# Altium PCB PASTE.PcbDoc (part 2 of 7)
Units mil, origin at the board's own origin, x right, y up, seen from the top; angles counter-clockwise.
Board outline 16220 x 11870 mil, 2 copper layers (Top Layer, Bottom Layer); 340 components, 0 nets, 1500 pads, 1280 vias.
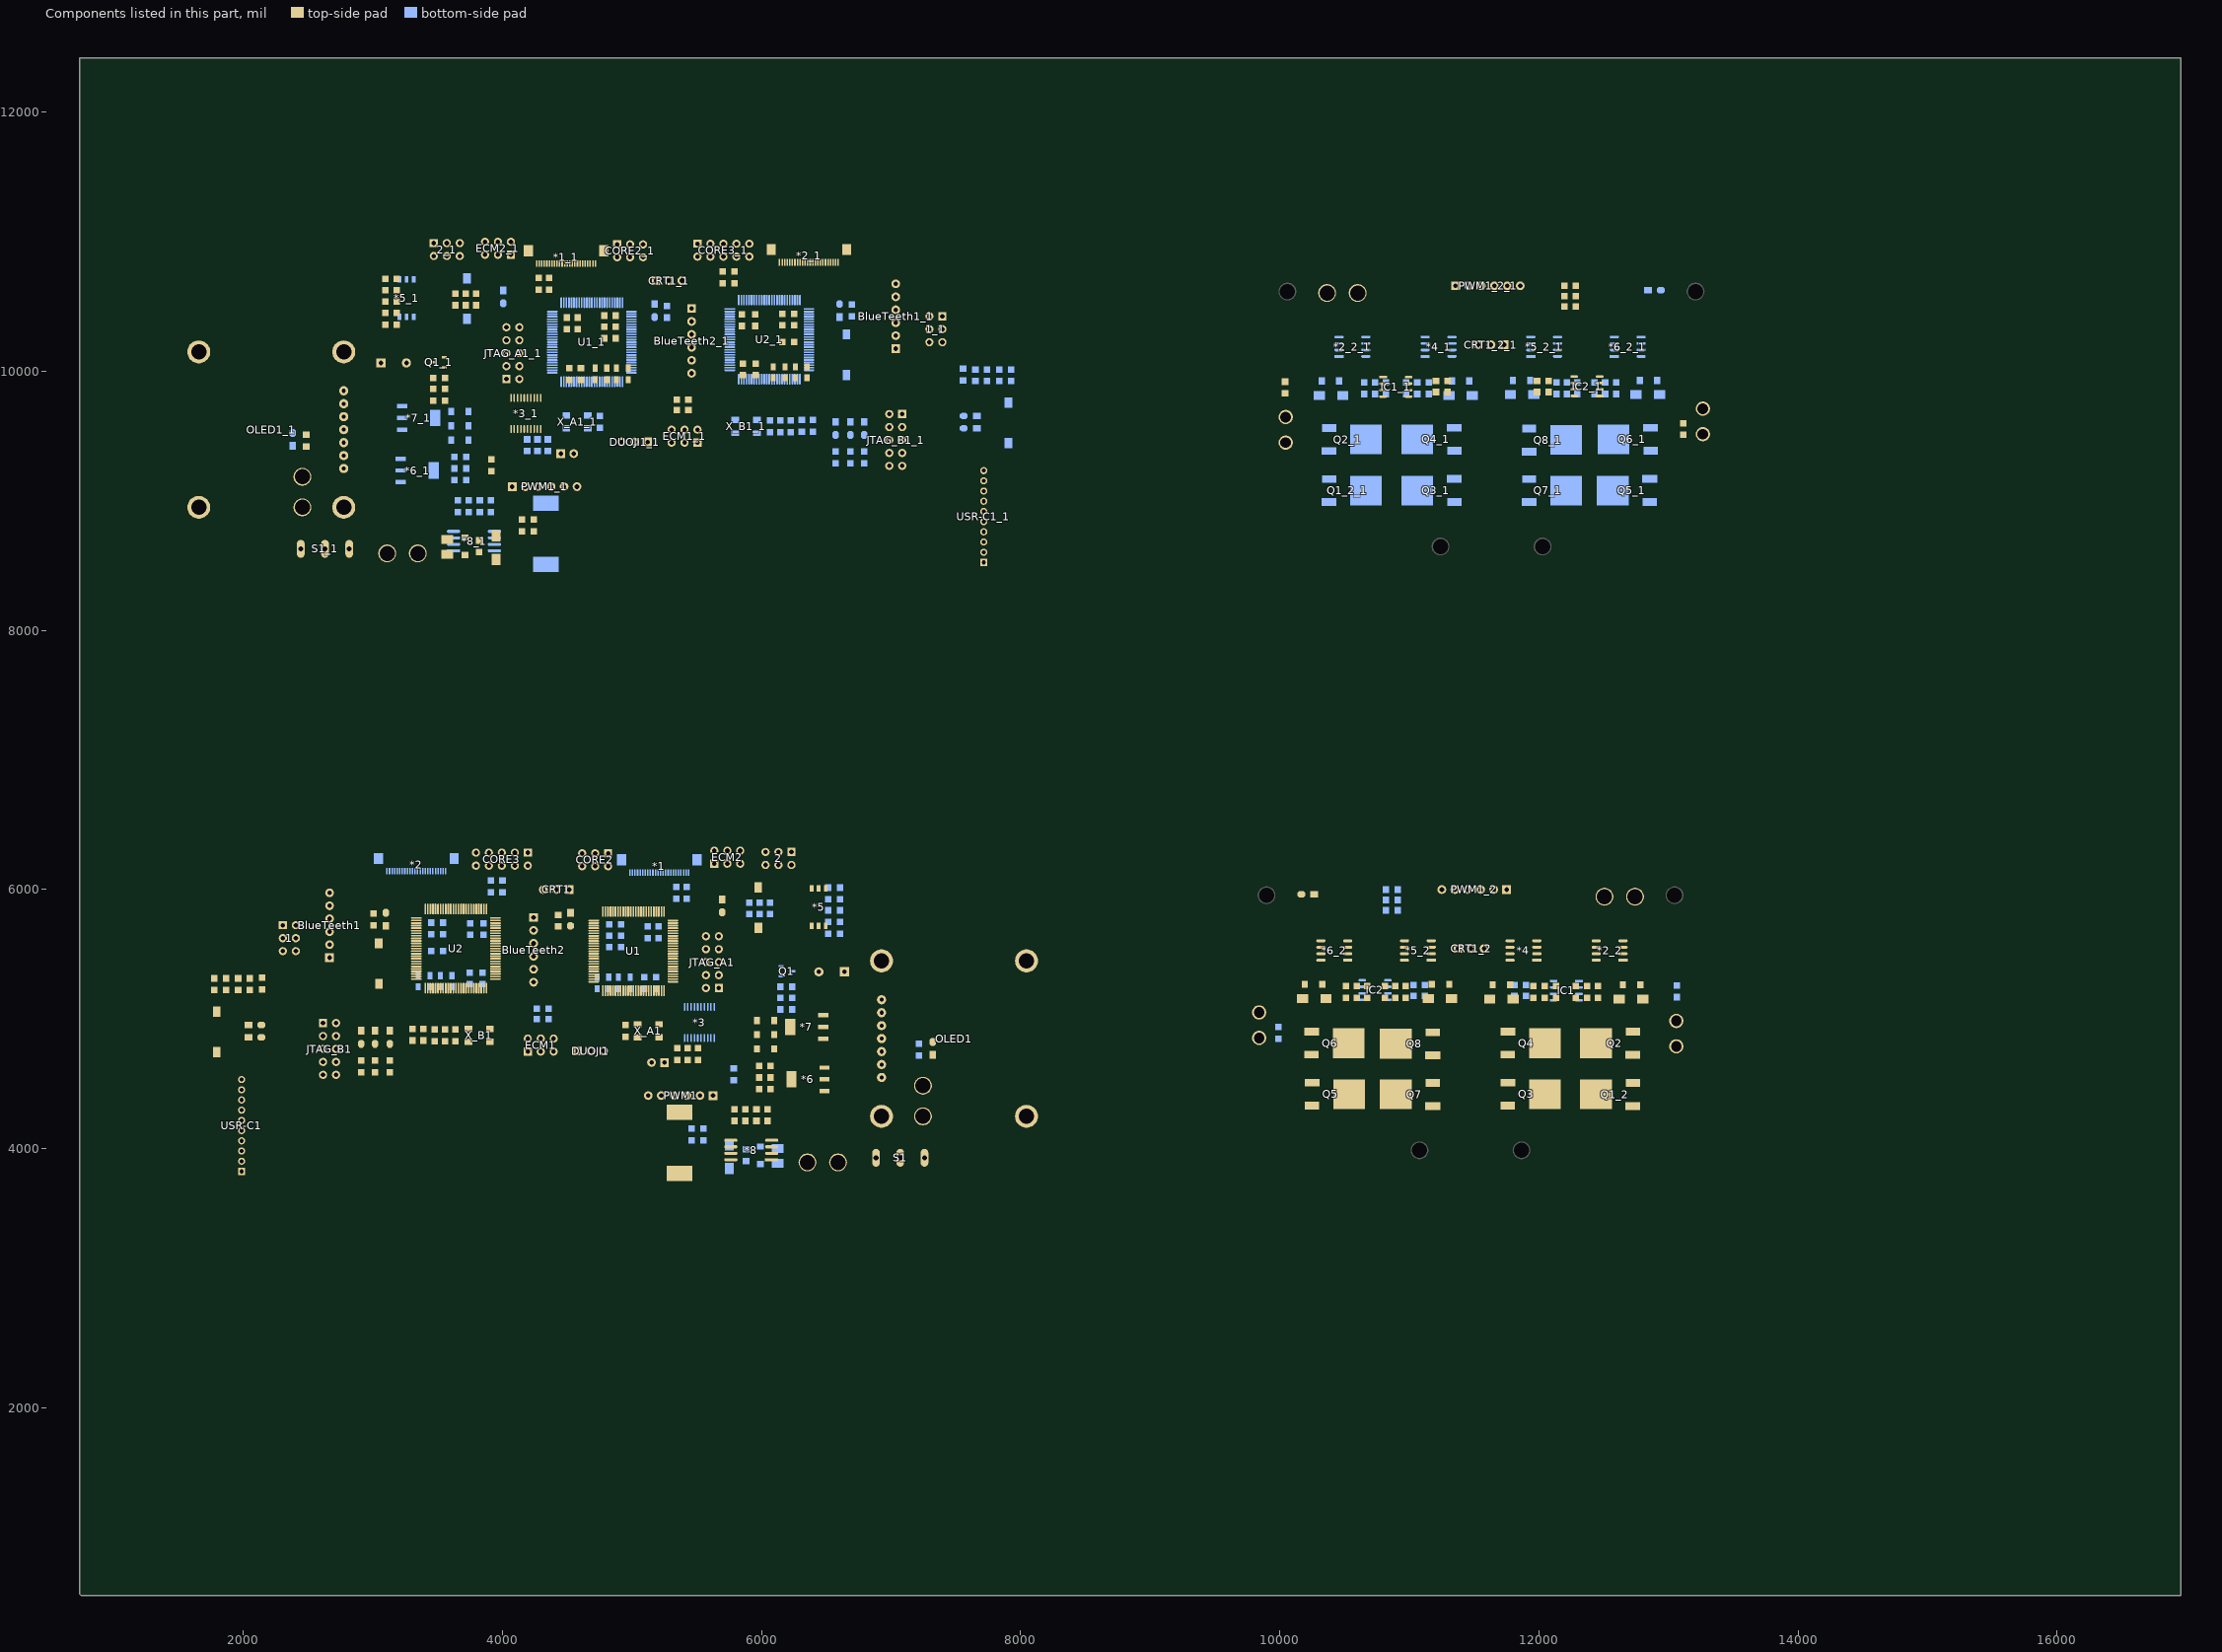
[diagram p2: the components of this part, seen from the top]

## Via types
v1: diameter 20, hole 15, Top Layer to Bottom Layer, tented both sides, 836 vias
v2: diameter 20, hole 10, Top Layer to Bottom Layer, tented both sides, 412 vias
v3: diameter 30, hole 20, Top Layer to Bottom Layer, tented both sides, 22 vias
v4: diameter 177.17, hole 157.48, Top Layer to Bottom Layer, tented both sides, 6 vias
v5: diameter 40, hole 30, Top Layer to Bottom Layer, tented both sides, 4 vias

## Nets (pads, with @x,y where several pads share a name; then routed paths per layer and width w, separated by ;. In a path a pad name is that pad's centre, name@x,y a point inside that pad or via, vN(x,y) a via of type N, cw(c..) or ccw(c..) an arc to the next point about the centre after c; other vN are vias at no path point) (continued)
copper on no net: (continued)
  Top Layer w10: 1732.32,5277.32 cw(c1775,5234.64) 1775,5295 ; 1735.54,5115.99 ccw(c1794.21,5174.66) 1794.21,5091.68 ; 1744.39,5289.39 ccw(c1718.79,5315) 1755,5315 ; 1749.39,5294.39 cw(c1775,5268.79) 1775,5305 ; 1752.61,5098.92 ccw(c1794.21,5140.52) 1794.21,5081.68 ; 1759.3,5092.22 cw(c1734.23,5067.16) 1769.69,5067.16 ; 1775,5205 cw(c1775,5156.72) 1809.14,5190.86 cw(c1843.28,5225) 1795,5225 ; 1775,5225 2040,4960 2040,4955 2040,4860 2115,4785 v2(2120,4785) ; 1775,5315 1770,5315 1710,5255 1710,5141.53 1794.21,5057.31 ; 1980.7,3830.3 cw(c2016.18,3794.82) 2016.18,3845 ; 1986,3825 2006,3845 2095,3845 2383.94,4133.94 2383.94,4538.94 2615,4770 2615,4870 2655.43,4829.57 ; 1986,4061.22 2186.22,4061.22 2370,4245 2370,5040 2980,5650 3145,5650 3236.85,5741.85 3335.01,5741.85 ; 1986,4139.96 1989.96,4139.96 2030,4180 ; 1986.25,4152.46 ccw(c1986.98,4189.8) 2013.39,4163.39 ; 1986.44,4162.46 ccw(c1987.62,4222.37) 2030,4180 ; 1987.77,3823.23 cw(c2040.32,3770.68) 2040.32,3845 ; 1993.79,5006.21 cw(c1942.57,4955) 2015,4955 ; 1994.84,3816.16 cw(c2064.46,3746.54) 2064.46,3845 ; 1994.84,4052.38 cw(c2016.18,4031.04) 2016.18,4061.22 cw(c2016.18,4091.4) 1994.84,4070.06 ; 2001.91,3809.09 cw(c2088.6,3722.4) 2088.6,3845 ; 2001.91,4045.31 cw(c2040.32,4006.9) 2040.32,4061.22 cw(c2040.32,4115.54) 2001.91,4077.13 ; 2008.5,4139.96 cw(c2053.26,4139.96) 2021.61,4171.61 ; 2010.86,4989.14 cw(c1976.72,4955) 2025,4955 ; 2017.93,4982.07 ccw(c2035,4999.14) 2035,4975 ; 2025.86,4874.14 ccw(c1991.72,4908.28) 2040,4908.28 ccw(c2088.28,4908.28) 2054.14,4874.14 ; 2025.86,4940.86 cw(c1991.72,4906.72) 2040,4906.72 cw(c2088.28,4906.72) 2054.14,4940.86 ; 2045,4840 cw(c2045,4803.79) 2070.61,4829.39 ; 2055,4860 ccw(c2091.21,4860) 2065.61,4834.39 ; v2@2061.46,4233.54 ccw(c2052.93,4242.07) 2065,4242.07 ccw(c2077.07,4242.07) v2@2068.54,4233.54 ; v2(2065,4230) 2065,4260 2355,4550 2355,5050 2970,5665 3132.35,5665 3228.88,5761.54 3335.01,5761.54 ; 2065,4860 ccw(c2125.36,4860) 2082.68,4817.32 ; 2102.93,4797.07 ccw(c2120,4814.14) v2@2120,4790 ; 2409.82,9231.4 ccw(c2228.31,9412.91) 2485,9412.91 ; 2416.89,9224.33 ccw(c2252.45,9388.77) 2485,9388.77 ; 2423.96,9217.26 ccw(c2276.6,9364.63) 2485,9364.63 ; 2431.03,9210.19 ccw(c2300.74,9340.48) 2485,9340.48 ; 2438.1,9203.12 ccw(c2324.88,9316.34) 2485,9316.34 ; 2445.17,9196.05 ccw(c2349.02,9292.2) 2485,9292.2 ; 2452.24,9188.98 ccw(c2373.16,9268.06) 2485,9268.06 ccw(c2536.84,9268.06) 2500.18,9231.4 ; 2455,9186.22 2485,9216.22 2485,9420 ; v2@2465,9565 cw(c2465,9552.93) 2473.54,9561.46 cw(c2482.07,9570) v2@2470,9570 ; v2(2465,9570) 2485,9550 ; 2469.6,9407.24 cw(c2430.68,9374.99) 2481,9370.27 ; 2470.86,9405.86 cw(c2436.72,9371.72) 2485,9371.72 cw(c2533.28,9371.72) 2499.14,9405.86 ; 2473,9526 ccw(c2455,9550) 2485,9550 ; 2477.3,9413.62 cw(c2456.97,9396.78) 2483.26,9394.31 ; 2481.3,9373.46 cw(c2527.12,9369.16) 2497.76,9404.6 ; 2485,9510 2485,9550 ; 2497,9526 cw(c2515,9550) 2485,9550 ; 2588.5,4770 cw(c2524.54,4770) 2569.77,4724.77 cw(c2615,4679.54) 2615,4743.5 ; 2596.26,4788.74 ccw(c2551.03,4833.97) 2615,4833.97 ccw(c2678.97,4833.97) 2633.74,4788.74 ; 2596.26,4851.26 cw(c2551.03,4806.03) 2615,4806.03 cw(c2678.97,4806.03) 2633.74,4851.26 ; 2598.5,4770 cw(c2558.68,4770) 2586.84,4741.84 cw(c2615,4713.68) 2615,4753.5 ; 2603.34,4781.66 ccw(c2575.18,4809.82) 2615,4809.82 ccw(c2654.82,4809.82) 2626.66,4781.66 ; 2603.34,4858.34 cw(c2575.18,4830.18) 2615,4830.18 cw(c2654.82,4830.18) 2626.66,4858.34 ; 2615,4943.5 cw(c2615,4879.54) 2660.23,4924.77 cw(c2705.46,4970) 2641.5,4970 ; 2615,4953.5 cw(c2615,4913.68) 2643.16,4941.84 cw(c2671.32,4970) 2631.5,4970 ; 2615,4970 2674.57,4910.43 2909.57,4910.43 2910,4910 3015,4910 3130,4910 3130,4950 ; 2616.36,4853.56 cw(c2618.84,4823.5) 2640.17,4844.83 cw(c2661.5,4866.16) 2631.44,4868.64 ; 2617.18,4843.59 cw(c2621.17,4795.31) 2655.43,4829.57 ; 2641.41,4867.82 ccw(c2689.69,4863.83) 2655.43,4829.57 ; 2715,4543.5 cw(c2715,4479.54) 2760.23,4524.77 cw(c2805.46,4570) 2741.5,4570 ; 2715,4553.5 cw(c2715,4513.68) 2743.16,4541.84 cw(c2771.32,4570) 2731.5,4570 ; 2715,4570 2800,4485 3235,4485 3390,4640 3390,4835 ; 2774.45,9450 3370,9450 3775,9855 4159.71,9855 4292.35,9987.65 4292.35,9987.94 4318.94,10014.52 4318.94,10143.94 v2(4325,10150) ; 2774.45,9550 3435,9550 3760,9875 4159.71,9875 4305,10020.29 4305,10180 v2(4325,10200) ; 2774.45,9650 3505,9650 3750,9895 4160,9895 4290,10025 4290,10215 v2(4300,10225) ; 2774.45,9750 2985,9960.55 2985,10190 3093.94,10298.94 3793.94,10298.94 3875.43,10380.43 4146.75,10380.43 4202.18,10325 4338.94,10325 4365,10298.94 4365,10255 4350,10240 v2(4325,10240) ; 2774.45,9770.43 ccw(c2774.45,9819.76) 2809.33,9784.88 ccw(c2844.21,9750) 2794.88,9750 ; 2774.45,9780.43 ccw(c2774.45,9853.9) 2826.4,9801.95 ccw(c2878.35,9750) 2804.88,9750 ; 2788.9,9435.55 cw(c2823.78,9400.67) 2823.78,9450 cw(c2823.78,9499.33) 2788.9,9464.45 ; 2788.9,9535.55 cw(c2823.78,9500.67) 2823.78,9550 cw(c2823.78,9599.33) 2788.9,9564.45 ; 2788.9,9635.55 cw(c2823.78,9600.67) 2823.78,9650 cw(c2823.78,9699.33) 2788.9,9664.45 ; 2795.97,9428.48 cw(c2847.92,9376.53) 2847.92,9450 cw(c2847.92,9523.47) 2795.97,9471.52 ; 2795.97,9528.48 cw(c2847.92,9476.53) 2847.92,9550 cw(c2847.92,9623.47) 2795.97,9571.52 ; 2795.97,9628.48 cw(c2847.92,9576.53) 2847.92,9650 cw(c2847.92,9723.47) 2795.97,9671.52 ; 2860.67,4910.43 cw(c2860.67,4860.67) 2895.86,4895.86 ; 2862.76,4910.43 ccw(c2862.76,4957.24) 2895.86,4924.14 ; 2884.81,4910.43 cw(c2884.81,4884.81) 2902.93,4902.93 ; 2895.86,4694.14 ccw(c2861.72,4728.28) 2910,4728.28 ccw(c2958.28,4728.28) 2924.14,4694.14 ; 2895.86,4790.86 cw(c2861.72,4756.72) 2910,4756.72 cw(c2958.28,4756.72) 2924.14,4790.86 ; 2905,4680 2910,4685 2910,4810 ; 2910,4570 cw(c2910,4521.72) 2944.14,4555.86 cw(c2978.28,4590) 2930,4590 ; 2910,4590 2970,4530 3185,4530 v2(3270,4615) ; 2924.14,4895.86 cw(c2958.28,4861.72) 2958.28,4910 cw(c2958.28,4958.28) 2924.14,4924.14 ; v2(2930,5705) 2971.06,5746.06 2971.06,5758.94 ; v2@2930,5710 ccw(c2930,5722.07) 2938.54,5713.54 ccw(c2947.07,5705) v2@2935,5705 ; 2983.69,5771.56 ccw(c2952.79,5802.46) 2995.28,5812.66 ; v3(2985,4990) 2985,5380 3050,5445 v3(3110,5445) ; 2985.55,5810.33 cw(c2932.44,5797.57) 2971.07,5758.94 ; 2996.31,5784.19 ccw(c2973.15,5807.35) 3005,5815 ; 3000.86,4694.14 ccw(c2966.72,4728.28) 3015,4728.28 ccw(c3063.28,4728.28) 3029.14,4694.14 ; 3000.86,4790.86 cw(c2966.72,4756.72) 3015,4756.72 cw(c3063.28,4756.72) 3029.14,4790.86 ; 3000.86,4895.86 ccw(c2966.72,4861.72) 2966.72,4910 ccw(c2966.72,4958.28) 3000.86,4924.14 ; 3005,5725 3100,5820 ; 3005,5745 ccw(c3005,5793.28) 3039.14,5759.14 ccw(c3073.28,5725) 3025,5725 ; 3005,5835 ccw(c3005,5883.28) 3039.14,5849.14 ccw(c3073.28,5815) 3025,5815 ; 3015,4590 3067.36,4590 3101.3,4556.06 3166.06,4556.06 v2(3245,4635) ; 3015,4685 3015,4810 ; 3028.44,5245.5 cw(c2986.57,5203.63) 3045.79,5203.63 cw(c3105,5203.63) 3063.13,5245.5 ; 3029.14,4575.86 cw(c3063.28,4541.72) 3063.28,4590 cw(c3063.28,4638.28) 3029.14,4604.14 ; 3029.14,4895.86 cw(c3063.28,4861.72) 3063.28,4910 cw(c3063.28,4958.28) 3029.14,4924.14 ; 3035.51,5252.57 cw(c3010.71,5227.77) 3045.79,5227.77 cw(c3080.86,5227.77) 3056.06,5252.57 ; 3045,5550.63 cw(c3045,5467.65) 3103.67,5526.33 ; 3045,5560.63 cw(c3045,5501.8) 3086.6,5543.4 ; 3045,5585 3145,5485 3145,5210 3351.06,5003.94 3351.06,4901.3 ; 3045.79,5272.69 3045.79,5184.21 3305,4925 ; v2(3050,5715) 3095,5715 3100,5720 3100,5764.86 ; v2@3052.5,5710.67 cw(c3059.29,5698.9) 3062.81,5712.03 ; v2@3052.5,5719.33 ccw(c3059.29,5731.1) 3062.81,5717.97 ; v2@3053.54,5711.46 cw(c3062.07,5702.93) 3062.07,5715 cw(c3062.07,5727.07) v2@3053.54,5718.54 ; v2@3054.33,5712.5 cw(c3063.47,5707.22) 3060.74,5717.42 ; v2@3054.33,5717.5 ccw(c3063.47,5722.78) 3060.74,5712.58 ; 3057.32,5777.32 cw(c3100,5734.64) 3100,5795 ; 3061.57,10065 3095,10098.43 ; 3069.39,5789.39 ccw(c3043.79,5815) 3080,5815 ; 3069.53,5575.16 ccw(c3104.98,5575.16) 3079.91,5550.09 ; 3074.39,5794.39 cw(c3100,5768.79) 3100,5805 ; 3085.86,5700.86 ccw(c3051.72,5666.72) 3051.72,5715 ccw(c3051.72,5763.28) 3085.86,5729.14 ; 3088.05,5741.03 ccw(c3070.28,5764.86) 3100,5764.86 ; 3095,10360 3095,10450 3095,10540 3095,10625 3095,10715 ; 3111.95,5741.03 cw(c3129.72,5764.86) 3100,5764.86 ; 3115.86,4694.14 ccw(c3081.72,4728.28) 3130,4728.28 ccw(c3178.28,4728.28) 3144.14,4694.14 ; 3115.86,4790.86 cw(c3081.72,4756.72) 3130,4756.72 cw(c3178.28,4756.72) 3144.14,4790.86 ; 3115.86,4895.86 ccw(c3081.72,4861.72) 3081.72,4910 ccw(c3081.72,4958.28) 3115.86,4924.14 ; 3119.85,4932.23 ccw(c3109.38,4950) 3130,4950 ; 3130,4590 3170,4590 ; 3130,4680 3130,4810 ; v2@3140,4965 cw(c3127.93,4965) 3136.46,4956.46 cw(c3145,4947.93) v2@3145,4960 ; 3140.15,4932.23 cw(c3150.62,4950) 3130,4950 ; v2(3145,4965) 3130,4950 ; 3146,4578 cw(c3170,4560) 3170,4590 ; 3146,4602 ccw(c3170,4620) 3170,4590 ; v2@3146.46,6046.46 cw(c3137.93,6037.93) 3150,6037.93 cw(c3162.07,6037.93) v2@3153.54,6046.46 ; v2(3150,6050) 3150,5814.86 3100,5764.86 ; v2(3165,10410) 3162.36,10410 3145,10427.36 3145,10585 3185,10625 ; 3165,10625 cw(c3116.72,10625) 3150.86,10590.86 cw(c3185,10556.72) 3185,10605 ; v2@3166.46,6066.46 ccw(c3157.93,6057.93) 3157.93,6070 ccw(c3157.93,6082.07) v2@3166.46,6073.54 ; v2(3170,6070) 3130,6070 3080,6020 3080,5890 3005,5815 ; 3177.31,10468.46 ccw(c3172.5,10480) 3185,10480 ; 3185,10540 3250,10540 3260,10530 v2(3260,10460) ; 3185,10715 3235,10765 v2(3305,10765) ; 3185,10735 ccw(c3185,10783.28) 3219.14,10749.14 ccw(c3253.28,10715) 3205,10715 ; 3185.44,10480.44 ccw(c3200.89,10464.99) 3185,10450 3185,10480 ; 3188.44,10480.31 cw(c3206.77,10469.72) v2@3201.29,10490.17 ; 3190.55,10368.32 ccw(c3204.1,10388.65) 3221.37,10371.37 ; 3192.27,10456.86 cw(c3208.38,10472.06) 3192.72,10487.72 ; 3192.69,10468.46 cw(c3197.5,10480) 3185,10480 ; v2@3195,4620 cw(c3182.93,4620) 3191.46,4611.46 cw(c3200,4602.93) v2@3200,4615 ; v2@3195,10495 cw(c3182.93,10495) 3191.46,10486.46 cw(c3200,10477.93) v2@3200,10490 ; v2@3195.21,10493.57 cw(c3184.67,10490.44) 3194.19,10484.94 cw(c3203.71,10479.44) v2@3201.16,10490.14 ; 3196.09,10376.64 ccw(c3211,10399) 3230,10380 ; 3199.14,10525.86 cw(c3233.28,10491.72) 3233.28,10540 cw(c3233.28,10588.28) 3199.14,10554.14 ; 3199.55,10463.73 cw(c3215.87,10479.13) v2(3200,10495) 3185,10480 ; v2(3200,4620) 3170,4590 ; 3208.43,4855 cw(c3208.43,4738.43) 3290.86,4820.86 ; 3224.54,10375.79 3230,10381.25 v2(3230,10520) ; 3225.16,10375.16 3230,10380 ; v2@3226.46,10516.46 cw(c3217.93,10507.93) 3230,10507.93 cw(c3242.07,10507.93) v2@3233.54,10516.46 ; 3232.57,4855 cw(c3232.57,4762.57) 3297.93,4827.93 ; v2@3240,4635 cw(c3227.93,4635) 3236.46,4626.46 cw(c3245,4617.93) v2@3245,4630 ; v3(3250,5545) 3335.01,5545 ; v2(3250,5640) 3331.58,5640 3335.01,5643.43 ; v2(3250,5680) 3251.06,5681.06 3333.28,5681.06 3335.01,5682.8 ; v2@3253.54,5636.46 cw(c3262.07,5627.93) 3262.07,5640 cw(c3262.07,5652.07) v2@3253.54,5643.54 ; v2@3253.54,5676.46 cw(c3264.64,5665.36) 3264.64,5681.06 ; v2@3256.46,10463.54 ccw(c3247.93,10472.07) 3260,10472.07 ccw(c3272.07,10472.07) v2@3263.54,10463.54 ; 3256.72,4855 cw(c3256.72,4786.72) 3305,4835 ; v2@3265,4615 cw(c3252.93,4615) 3261.46,4606.46 cw(c3270,4597.93) v2@3270,4610 ; v2(3265,10660) 3269.57,10655.43 3429.57,10655.43 3575,10510 3635,10510 ; v2@3268.54,10663.54 ccw(c3288.1,10683.1) 3288.1,10655.43 ; v2(3270,5350) 3333.16,5350 3335.01,5348.15 ; v2(3270,5620) 3273.74,5623.74 3335.01,5623.74 ; v2(3270,5700) 3272.48,5702.48 3335.01,5702.48 ; v2@3273.54,5346.46 cw(c3282.07,5337.93) 3282.07,5350 cw(c3282.07,5362.07) v2@3273.54,5353.54 ; v2@3273.54,5616.46 cw(c3291.1,5598.9) 3291.1,5623.74 ; v2@3273.54,5696.46 cw(c3288.06,5681.94) 3288.06,5702.48 ; 3280.86,4855 cw(c3280.86,4810.86) 3312.07,4842.07 ; 3285,4925 ccw(c3236.72,4925) 3270.86,4959.14 ccw(c3305,4993.28) 3305,4945 ; 3287.73,5640 ccw(c3287.73,5656.26) 3299.22,5644.76 ; 3291.53,5350 cw(c3291.53,5339.12) 3299.22,5346.81 ; 3291.82,5681.06 ccw(c3291.82,5691.54) 3299.22,5684.13 ; 3292.73,5323.33 cw(c3300.56,5315.5) 3300.56,5326.57 ; v2@3300,5260 ccw(c3287.93,5260) 3296.46,5268.54 ccw(c3305,5277.07) v2@3305,5265 ; 3300.25,5326.6 ccw(c3299.06,5319.55) 3294,5324.61 ; v2@3301.46,10761.46 ccw(c3292.93,10752.93) 3292.93,10765 ccw(c3292.93,10777.07) v2@3301.46,10768.54 ; v2(3305,5260) 3285,5280 3285,5292.69 3284.73,5292.95 3284.73,5315.34 3294,5324.61 ; 3307.59,4825.34 cw(c3315.66,4795.17) 3337.75,4817.25 ; 3310.17,4815.68 cw(c3320.83,4775.84) 3350,4805 ; 3325,4835 ccw(c3337.07,4835) 3328.54,4826.46 ; 3335.01,5308.78 3338.79,5305 v2(3390,5305) ; 3335.01,5367.83 3338.87,5371.69 3376.01,5371.69 ; 3335.01,5781.22 3228.86,5781.22 3128.7,5681.06 2956.06,5681.06 2340,5065 2340,4570 2030,4260 2030,4180 ; v2@3346.46,4658.54 ccw(c3337.93,4667.07) 3350,4667.07 ccw(c3362.07,4667.07) v2@3353.54,4658.54 ; v2(3350,4655) 3350,4805 ; 3364.44,4887.92 cw(c3324.03,4847.51) 3380.18,4836.86 ; 3369.46,5369.72 ccw(c3369.46,5380.8) 3377.29,5372.97 ; 3369.77,5369.7 ccw(c3370.96,5376.75) 3376.01,5371.69 ; v2@3370,4975 cw(c3370,4962.93) 3378.54,4971.46 cw(c3387.07,4980) v2@3375,4980 ; v2(3370,4980) 3390,4960 ; 3370.35,4838.73 ccw(c3301.54,4851.78) 3351.06,4901.3 ; 3370.79,5310.12 ccw(c3383.14,5322.47) v2@3383.14,5305 ; 3375.86,4820.86 cw(c3341.72,4786.72) 3390,4786.72 cw(c3438.28,4786.72) 3404.14,4820.86 cw(c3438.28,4786.72) 3438.28,4835 cw(c3438.28,4883.28) 3404.14,4849.14 ; 3377.38,5306.54 ccw(c3379.99,5316.29) v2@3386.68,5308.74 ; 3377.81,4874.55 cw(c3346.51,4843.25) 3390,4835 ; 3379.85,4942.23 ccw(c3369.38,4960) 3390,4960 ; 3383.93,4854.06 ccw(c3381.29,4862.36) 3390,4862.36 ; v2@3386.46,5301.46 ccw(c3377.93,5292.93) 3377.93,5305 ccw(c3377.93,5317.07) v2@3386.46,5308.54 ; 3390,4815 cw(c3390,4766.72) 3424.14,4800.86 cw(c3458.28,4835) 3410,4835 ; 3390,4925 3390,4930 ; 3390,4945 ccw(c3390,4981.21) 3415.61,4955.61 ; v2@3390,5340 cw(c3377.93,5340) 3386.46,5331.46 cw(c3395,5322.93) v2@3395,5335 ; 3391.18,4861.18 cw(c3368.99,4838.99) 3399.82,4833.14 ; v2(3395,5340) 3383.46,5328.46 3335.01,5328.46 3331.15,5324.61 3294,5324.61 ; 3396.07,4854.06 cw(c3398.71,4862.36) 3390,4862.36 ; 3397.47,4828.35 cw(c3412.3,4815.15) 3416.91,4834.46 ; 3400,4925 cw(c3436.21,4925) 3410.61,4950.61 ; 3400.15,4942.23 cw(c3410.62,4960) 3390,4960 ; 3404,5239.79 3404,5071 3555,4920 ; 3404.94,4821.7 cw(c3426.48,4802.53) 3433.18,4830.58 ; 3407.04,4845.47 ccw(c3431.53,4860.52) 3424.85,4832.56 ; 3410,4925 cw(c3470.36,4925) 3427.68,4967.68 ; 3414.64,4835 cw(c3414.64,4769.64) 3460.86,4815.86 ; v2@3436.46,5381.46 ccw(c3427.93,5372.93) 3427.93,5385 ccw(c3427.93,5397.07) v2@3436.46,5388.54 ; v2@3440,4985 cw(c3427.93,4985) 3436.46,4976.46 cw(c3445,4967.93) v2@3445,4980 ; v2(3440,5385) 3389.32,5385 3376.01,5371.69 ; 3443.59,10987.82 cw(c3395.31,10983.83) 3429.57,10949.57 ; v2(3445,4985) 3390,4930 ; v2(3445,5125) 3576.78,5125 3618.94,5167.16 3618.94,5238.19 3620.54,5239.79 ; v2@3448.54,5121.46 cw(c3457.07,5112.93) 3457.07,5125 cw(c3457.07,5137.07) v2@3448.54,5128.54 ; 3453.4,9966.3 ccw(c3437.4,9988.78) 3465,9988.78 ; 3453.56,10988.64 cw(c3423.5,10986.16) 3444.83,10964.83 cw(c3466.16,10943.5) 3468.64,10973.56 ; 3460.86,4844.14 cw(c3438.79,4866.21) 3438.79,4835 cw(c3438.79,4793.79) 3467.93,4822.93 ; v2@3461.46,9046.46 cw(c3452.93,9037.93) 3465,9037.93 cw(c3477.07,9037.93) v2@3468.54,9046.46 ; v2@3465,6090 cw(c3465,6077.93) 3473.54,6086.46 cw(c3482.07,6095) v2@3470,6095 ; v2(3465,6095) 3581.17,5978.83 3581.17,5850.21 ; v2(3465,9050) 3465,8604.57 3539.57,8530 3657.48,8530 3710,8582.52 ; 3465,9775 3555,9865 3677.6,9987.6 3777.56,9987.6 3779.96,9990 4230,9990 4270,10030 v2(4270,10125) ; 3465,9795 ccw(c3465,9843.28) 3499.14,9809.14 ccw(c3533.28,9775) 3485,9775 ; 3465,9950 3465,9988.78 ; 3467.82,10963.59 ccw(c3463.83,10915.31) 3429.57,10949.57 ; 3470,10990 3429.57,10949.57 ; 3475,4830 3470,4835 3390,4835 ; 3475,4900 cw(c3475,4851.72) 3509.14,4885.86 cw(c3543.28,4920) 3495,4920 ; 3475,4920 3555,4840 3555,4830 ; 3476.6,9966.3 cw(c3492.6,9988.78) 3465,9988.78 ; 3482.74,5239.79 3486.6,5243.65 3486.6,5280.79 3510.81,5305 3675,5305 v2(3680,5300) ; v2@3505,6090 cw(c3505,6077.93) 3513.54,6086.46 cw(c3522.07,6095) v2@3510,6095 ; v2(3505,6095) 3600.85,5999.15 3600.85,5850.21 ; v2@3511.46,5906.46 cw(c3488.29,5883.29) 3521.06,5883.29 ; 3513.79,4881.21 cw(c3462.57,4830) 3535,4830 ; v2(3515,5910) 3521.06,5903.94 3521.06,5851.26 3522.11,5850.21 ; 3521.06,5891.75 ccw(c3529.2,5891.75) 3523.45,5886 ; 3522.93,4702.07 ccw(c3540,4719.14) v2@3540,4695 ; 3530.86,4864.14 cw(c3496.72,4830) 3545,4830 ; 3535,4920 ccw(c3486.72,4920) 3520.86,4954.14 ccw(c3555,4988.28) 3555,4940 ; 3535,9865 cw(c3486.72,9865) 3520.86,9830.86 cw(c3555,9796.72) 3555,9845 ; v2@3536.46,5896.46 cw(c3523.59,5883.59) 3541.8,5883.59 ; v2@3536.46,10376.46 ccw(c3527.93,10367.93) 3527.93,10380 ccw(c3527.93,10392.07) v2@3536.46,10383.54 ; 3537.93,4857.07 ccw(c3555,4874.14) 3555,4850 ; v2(3540,4690) 3535,4690 3390,4835 ; v2(3540,5900) 3541.8,5898.2 3541.8,5850.21 ; v2(3540,10380) 3230,10380 ; 3540.86,4815.86 cw(c3506.72,4781.72) 3555,4781.72 cw(c3603.28,4781.72) 3569.14,4815.86 ; 3540.86,9964.14 ccw(c3494.64,10010.36) 3560,10010.36 ; v2(3545,5010) 3652,5010 3737,4925 ; 3547.93,9957.07 ccw(c3518.79,9986.21) 3560,9986.21 ccw(c3591.21,9986.21) 3569.14,9964.14 ; v2@3548.54,5006.46 cw(c3557.07,4997.93) 3557.07,5010 cw(c3557.07,5022.07) v2@3548.54,5013.54 ; 3550,10032.6 3560,10022.6 3560,9950 3555,9950 ; 3550,10107.4 3597.6,10107.4 v2(3600,10105) ; 3555,4794.14 ccw(c3584.14,4794.14) v2@3563.54,4773.54 ; 3555,9775 3730,9950 v2(3835,9950) ; 3555,9795 ccw(c3555,9843.28) 3589.14,9809.14 ccw(c3623.28,9775) 3575,9775 ; 3555,9885 ccw(c3555,9933.28) 3589.14,9899.14 ccw(c3623.28,9865) 3575,9865 ; v2@3556.46,5183.54 ccw(c3547.93,5192.07) 3560,5192.07 ccw(c3572.07,5192.07) v2@3563.54,5183.54 ; 3558.06,4839.52 ccw(c3567.55,4869.05) 3589.48,4847.12 ; v2(3560,4770) 3555,4775 3555,4830 ; v2(3560,5180) 3560,5238.31 3561.48,5239.79 ; 3560,5197.2 cw(c3569.62,5197.2) 3562.82,5204 ; 3560,10021.29 cw(c3572.14,10021.29) 3563.55,10029.87 ; 3560,10022.56 cw(c3569.23,10022.56) 3563.3,10029.64 ; 3561.12,4849.04 ccw(c3573.18,4886.58) 3601.06,4858.7 ; 3563.55,10104.67 cw(c3570.14,10098.09) 3570.14,10107.4 cw(c3570.14,10116.72) 3563.55,10110.13 ; v2(3570,5155) 3581.06,5166.06 3581.06,5239.69 3581.17,5239.79 ; v2@3570,5160 ccw(c3570,5172.07) 3578.54,5163.54 ccw(c3587.07,5155) v2@3575,5155 ; v2(3570,9200) 3600,9230 3915,9230 4035,9110 ; v2@3570,9205 ccw(c3570,9217.07) 3578.54,9208.54 ccw(c3587.07,9200) v2@3575,9200 ; 3582.13,10107.4 cw(c3582.13,10087.13) v2@3596.46,10101.46 ; v2@3596.46,5178.54 ccw(c3587.93,5187.07) 3600,5187.07 ccw(c3612.07,5187.07) v2@3603.54,5178.54 ; v2(3600,5175) 3600,5238.94 3600.85,5239.79 ; v2(3610,5785) 3616.68,5791.68 3616.68,5846.35 3620.54,5850.21 ; v2@3611.46,10661.46 cw(c3602.93,10652.93) 3615,10652.93 cw(c3627.07,10652.93) v2@3618.54,10661.46 ; v2@3612.5,10660.67 cw(c3606.47,10650.22) 3618.12,10653.34 cw(c3629.79,10656.46) v2@3619.33,10662.5 ; 3613.17,4870.81 ccw(c3579.47,4904.5) 3625.37,4917.31 ; 3615,10616.25 ccw(c3643.2,10616.25) 3630.49,10591.07 ; 3615,10632.5 ccw(c3651.4,10632.5) 3635,10600 3615,10620 v2(3615,10665) ccw(c3667.81,10665) 3644.01,10617.85 ; 3615,10648.75 ccw(c3659.61,10648.75) 3639.51,10608.93 ; 3615.74,4914.62 cw(c3560.55,4899.22) 3601.06,4858.7 ; 3616.68,5801.89 cw(c3634.41,5801.89) 3621.87,5814.43 ; 3618.94,5196.92 cw(c3628.96,5196.92) 3621.87,5204 ; 3620.86,10495.86 ccw(c3586.72,10461.72) 3586.72,10510 ccw(c3586.72,10558.28) 3620.86,10524.14 ; 3625.27,4882.91 ccw(c3598.39,4909.78) 3635,4920 ; v2@3631.46,5773.54 ccw(c3619.64,5785.36) 3636.36,5785.36 ; 3635,4830 3642,4830 3737,4925 ; 3635,4840 ccw(c3635,4881.04) 3664.02,4852.02 ; 3635,4850 ccw(c3635,4915.18) 3681.09,4869.09 ; 3635,4892.64 3601.06,4858.7 ; v2(3635,5770) 3636.36,5771.36 3636.36,5846.35 3640.22,5850.21 ; 3636.36,5801.89 cw(c3654.1,5801.89) 3641.56,5814.43 ; 3637.37,4895.01 ccw(c3617.31,4915.06) 3644.63,4922.69 ; v2@3651.46,5926.46 cw(c3640.36,5915.36) 3656.06,5915.36 ; 3655,4830 cw(c3686.38,4830) 3664.19,4852.19 ; v2(3655,5930) 3656.06,5928.94 3656.06,5854.06 3659.91,5850.21 ; 3656.06,5898.5 ccw(c3673.74,5898.5) 3661.24,5886 ; v2@3668.75,10665.16 cw(c3665.74,10653.46) 